# Altium PCB CC_V1.4.PcbDoc (part 8 of 8)
Units mm, origin at the board's own origin, x right, y up, seen from the top; angles counter-clockwise.
Board outline 145 x 123.85 mm, 4 copper layers (Top, GND, Power Plane, Bottom), stack 1.573 mm thick; 334 components, 307 nets, 1570 pads, 1725 vias.
Unrouted connection lines stored in the file: 33.
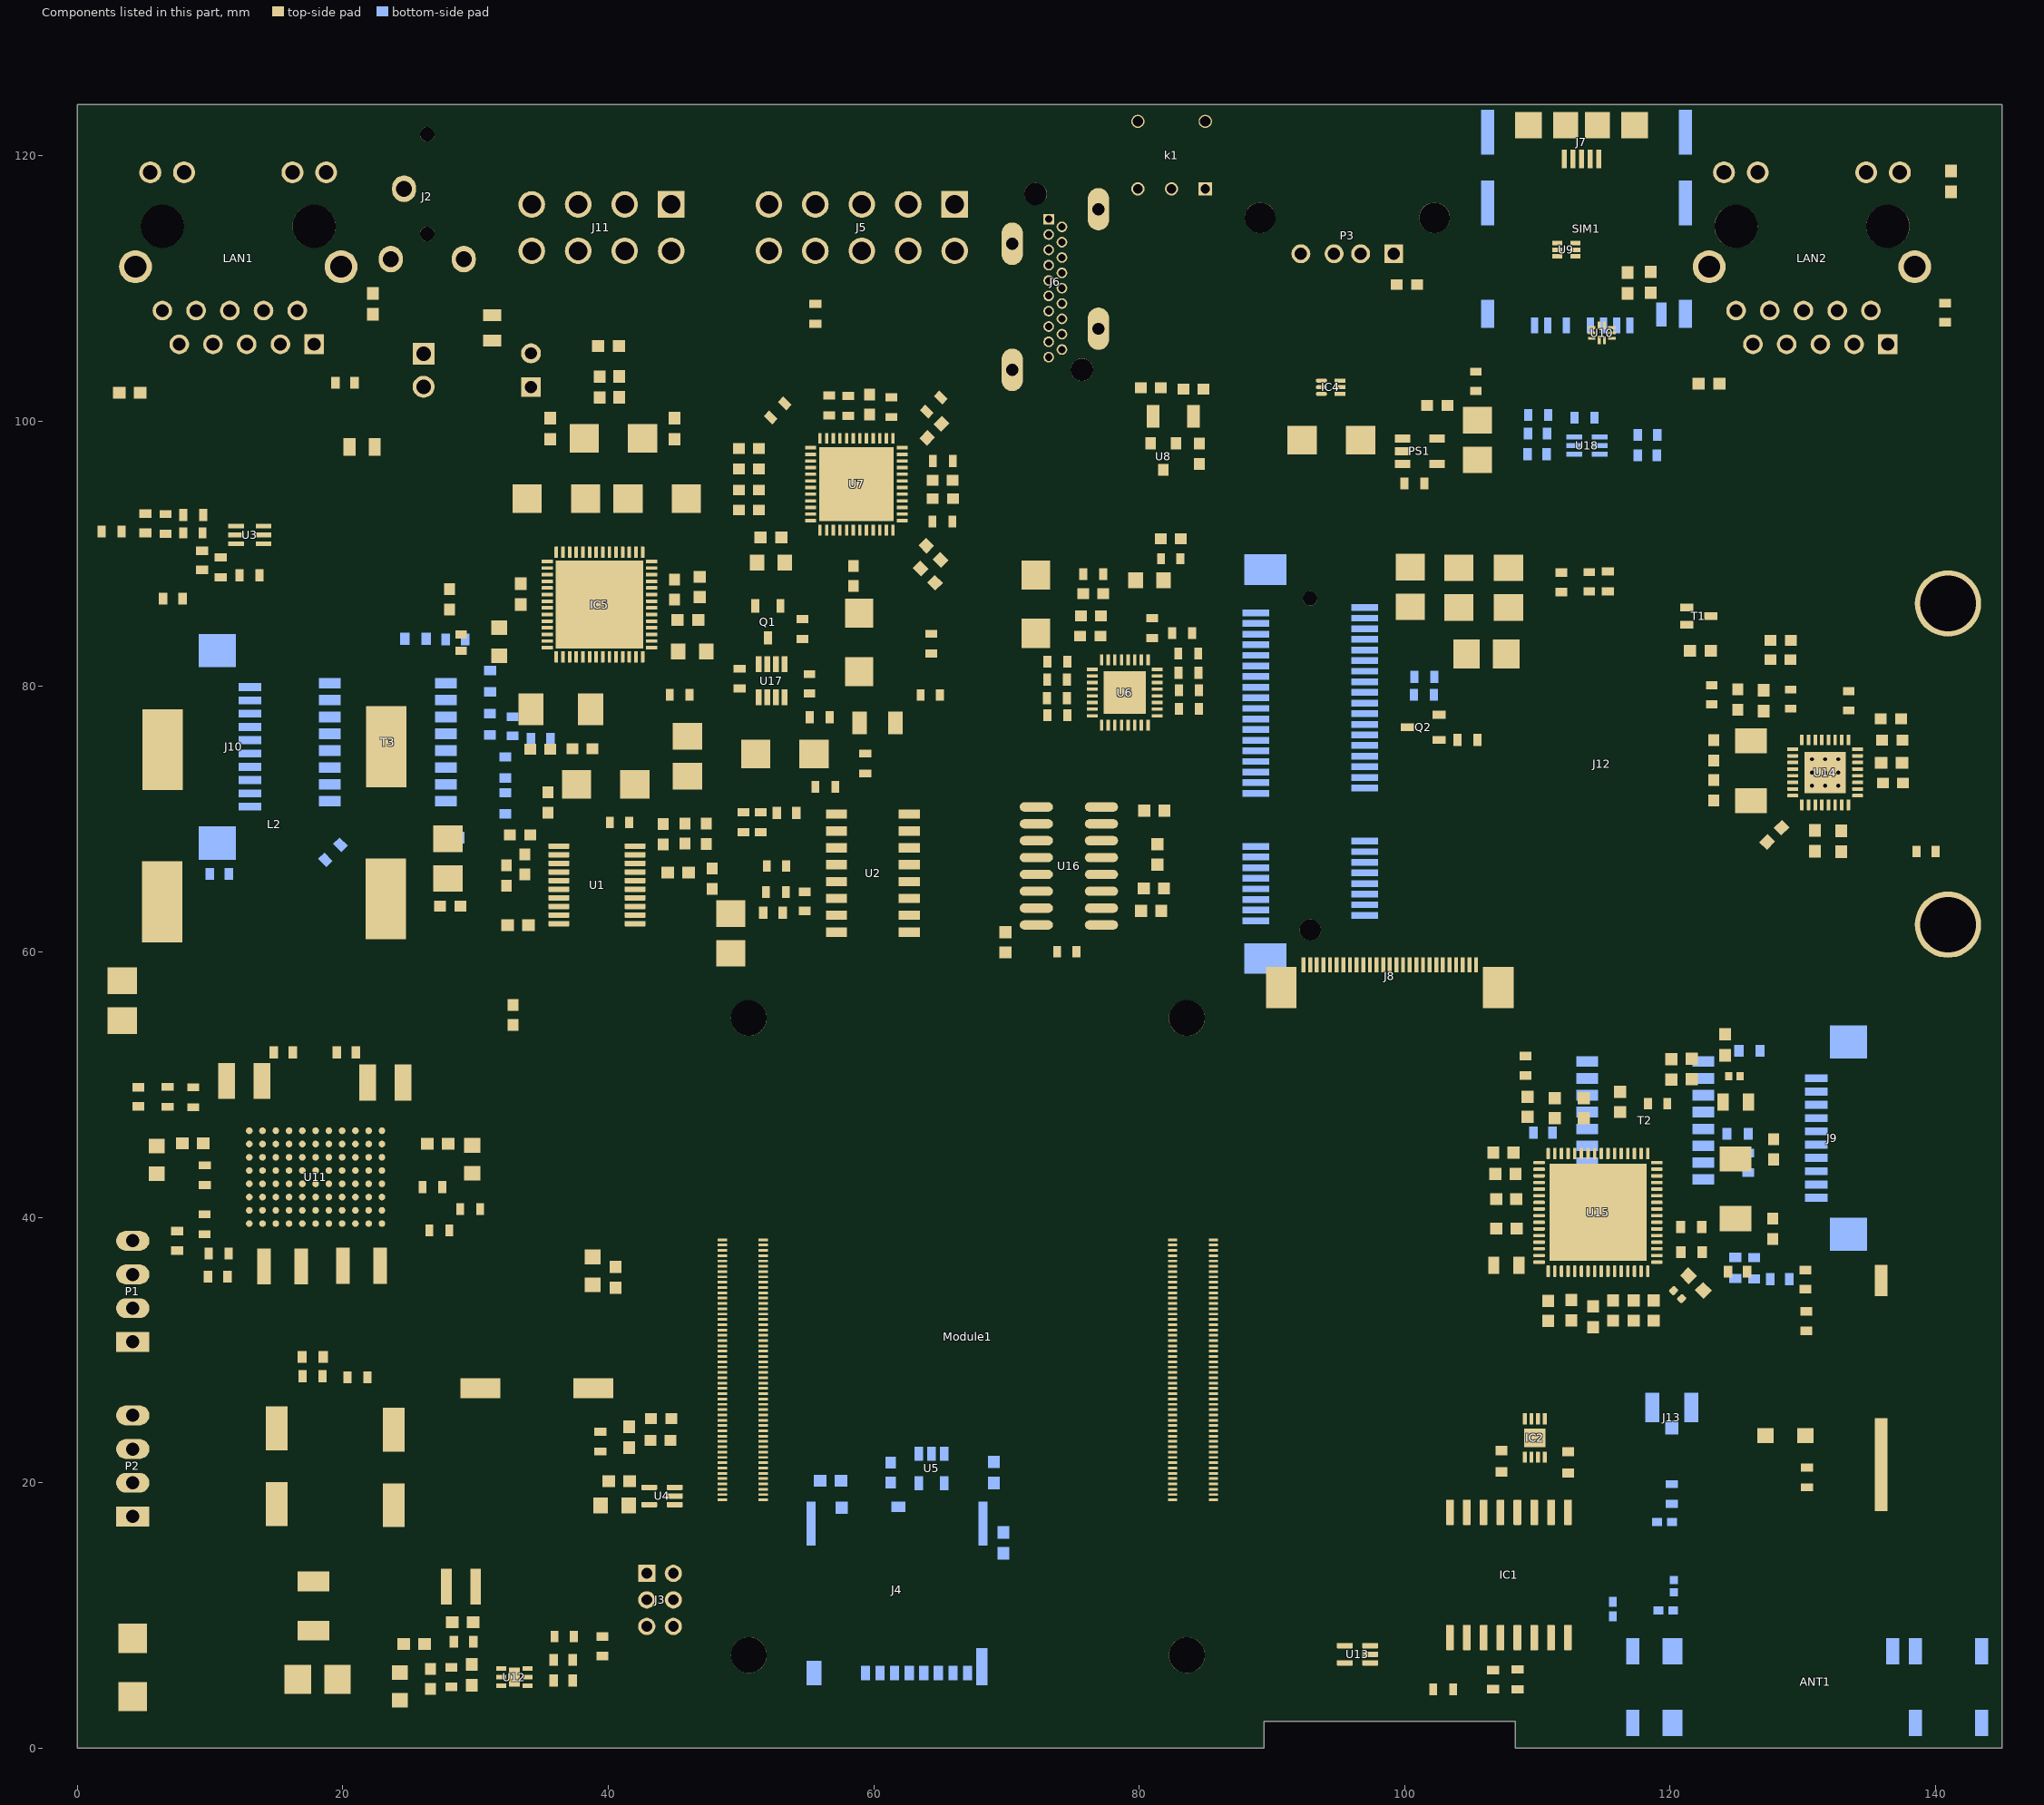
[diagram p10: the components of this part, seen from the top]

## Polygon pours and split planes (outlines as drawn) (continued)
3V3_Audio on Power Plane (split plane): 48.248,73.896 48.248,67.857 46.777,66.386 46.745,66.344 46.725,66.296 46.718,66.243 46.718,65.551 46.511,65.344 45.259,65.344 43.384,67.219 43.384,68.748 43.377,68.8 43.357,68.848 43.325,68.89 43.283,68.922 43.235,68.942 43.182,68.949 41.019,68.949 40.952,69.016 40.952,71.463 40.945,71.515 40.925,71.563 40.893,71.605 40.392,72.106 42.534,74.248 47.896,74.248
RS485_3.3V on Power Plane (split plane): 66.273,80.909 61.386,76.022 51.039,76.022 50.677,76.384 50.677,82.391 54.904,86.618 66.273,86.618
5V_HDMI on Power Plane (split plane): 82.279,99.977 81.597,99.295 81.565,99.253 81.545,99.205 81.538,99.152 81.538,97.839 80.386,97.839 79.364,98.861 79.364,103.323 82.279,103.323
1V8_A2 on Power Plane (split plane): 136.616,78.686 136.616,75.616 136.416,75.417 133.329,75.417 132.732,76.014 132.732,78.948 136.354,78.948
USB1_2_5VO on Power Plane (split plane): 100.702,106.372 100.744,106.34 100.764,106.332 100.793,106.32 100.845,106.313 102.428,106.313 102.428,98.064 100.649,96.284 98.676,96.284 97.54,97.42 97.498,97.452 97.45,97.472 97.398,97.479 94.832,97.479 94.832,100.936 95.219,101.323 97.207,101.323 97.26,101.33 97.308,101.35 97.35,101.382 98.621,102.653 98.653,102.695 98.673,102.744 98.68,102.796 98.68,106.766 100.309,106.766
3V3_A2 on Power Plane (split plane): 130.123,77.284 129.861,77.022 128.284,77.022 126.739,78.567 126.739,80.362 128.643,82.266 128.675,82.308 128.695,82.356 128.702,82.408 128.702,82.623 130.123,82.623
GND on GND (split plane): 144.49,120 144.49,15.15 128.675,15.15 128.675,12.225 118.937,12.153 118.937,10.988 118.937,8.7 116,8.7 116,0.6 144.49,0.6 144.49,0.51 108.855,0.51 108.855,2.013 108.846,2.112 108.817,2.208 108.769,2.296 108.706,2.373 108.629,2.437 108.54,2.484 108.445,2.513 108.345,2.523 89.415,2.523 89.315,2.513 89.22,2.484 89.131,2.437 89.054,2.373 88.991,2.296 88.943,2.208 88.914,2.112 88.905,2.013 88.905,0.51 22.532,0.51 22.532,14.536 22.573,14.577 22.605,14.619 22.625,14.668 22.632,14.72 22.625,14.772 22.605,14.821 22.573,14.863 22.531,14.895 22.517,14.901 22.482,14.915 22.43,14.922 11.948,14.922 11.948,57.194 11.941,57.246 11.921,57.295 11.889,57.337 11.876,57.347 11.876,79.685 11.866,79.735 11.838,79.777 11.796,79.805 11.746,79.814 0.51,79.814 0.51,120 0.51,123.342 144.49,123.342
FE on GND (split plane): 11.617,57.347 11.604,57.337 11.572,57.295 11.552,57.246 11.545,57.194 11.545,14.706 11.552,14.654 11.572,14.606 11.604,14.564 11.646,14.532 11.694,14.512 11.746,14.505 11.799,14.512 11.815,14.518 22.128,14.518 22.128,0.51 0.51,0.51 0.51,79.556 11.617,79.556

## Keep-outs
Keep-Out Layer:
  lines w0.07: 89.415,0.052 89.415,0 89.08,0 0,0 0,120 0,123.843 0.01,123.853 144.987,123.853 145,123.84 145,120 145,0 108.623,0 108.345,0 108.345,2.013 89.415,2.013
  lines w0.1: 0,120 0,120

## Other copper
Top:
  pour cut-out: 144.525,15.15 128.675,15.15 128.675,12.225 119.25,12.225 119.25,10.675 119.25,8.7 116,8.7 116,0.6 144.525,0.6
Bottom:
  pour cut-out: 144.755,0.295 144.755,15.175 128.675,15.175 128.675,12.225 121.318,12.225 121.317,25.012 119.003,25.013 119.003,9.891 117.724,8.612 117.038,8.612 116.688,8.962 116.688,11.013 114.688,11.013 114.688,9.188 116,7.875 116,0.295
GND (plane layer: these items are gaps in the copper):
  pour cut-out: 144.525,15.15 128.675,15.15 128.675,12.225 118.937,12.153 118.937,10.988 118.937,8.7 116,8.7 116,0.6 144.525,0.6
  lines w0.254: 0.115,54.635 0.295,54.455 ; 0.455,79.685 11.746,79.685 11.746,57.194
  lines w0.4: 11.746,57.194 11.746,14.706 11.76,14.72 22.43,14.72 22.33,14.62 22.33,-0.09
Power Plane (plane layer: these items are gaps in the copper):
  pour cut-out: 144.525,15.15 128.675,15.15 128.675,12.225 119.045,12.225 119.045,10.88 119.045,8.7 116,8.7 116,0.6 144.525,0.6
  lines w0.4: 0.47,79.367 10.315,79.367 11,78.682 11,66.367 10.3,65.668 10.3,54.13 10.075,53.905 7.823,53.905 6.201,52.284 6.201,36.424 7.15,35.475 ; 6.925,25.975 33.793,25.975 33.793,49.075 ; 8.745,67.142 8.772,67.115 ; 17.982,28.945 17.982,38.947 18.433,39.397 18.433,55.217 ; 18.365,0.425 18.613,0.178 ; 18.433,54.978 18.433,81.558 29.872,92.998 ; 19.246,14.723 19.246,25.975 ; 22.28,-0.085 22.28,14.65 22.207,14.723 29.965,14.723 29.965,4.401 31.116,3.25 87.99,3.25 88.345,3.605 88.345,4.835 88.345,57.98 89.662,59.297 96.002,59.297 96.747,59.297 99.078,61.628 100.233,61.628 102.405,63.8 104.285,65.68 123.175,65.68 125.107,67.613 125.107,80.931 125.581,81.405 126.528,82.352 127.001,82.825 141.575,82.825 141.575,66.668 140.82,65.912 135.365,65.912 127.135,57.683 91.8,57.683 91.161,57.043 91.161,2.515 ; 22.323,7.842 22.323,14.665 22.265,14.723 6.95,14.723 6.95,24.25 6.95,28.162 6.95,35.66 8.147,35.66 9.115,34.692 9.115,31.465 11.655,28.925 28.583,28.925 28.583,44.145 25.678,47.05 25.678,48.538 26.146,49.006 26.146,50.52 26.146,62.539 50.3,86.693 50.3,90.2 50.3,106.62 66.028,106.62 66.95,105.698 66.95,101.215 67.451,100.714 76.648,100.714 78.257,99.105 78.257,88.817 78.257,88.525 76.552,86.82 54.83,86.82 54.82,86.82 33.793,65.792 33.793,48.888 ; 29.746,92.871 43.804,92.871 43.804,94.461 46.008,96.665 46.008,109.657 46.263,109.913 69.289,109.913 71.633,107.569 71.633,102.7 71.703,102.63 77.859,102.63 82.197,106.968 100.392,106.968 100.845,106.515 121.943,106.515 127.328,101.13 144.87,101.13 ; 33.513,3.25 33.513,21.468 39.27,27.225 45.668,27.225 45.818,27.075 45.818,24.442 ; 33.793,3.25 33.793,3.257 ; 36.602,3.48 36.602,20.568 39.06,23.025 44.401,23.025 45.818,24.442 ; 37.005,20.97 53.493,20.97 53.493,22.229 51.281,24.442 45.818,24.442 ; 40.018,75.49 40.162,75.49 40.09,75.49 ; 40.106,72.106 40.75,71.463 40.75,68.933 40.935,68.748 43.182,68.748 43.182,67.135 45.175,65.143 46.595,65.143 46.92,65.468 46.92,66.243 48.45,67.773 48.45,73.98 47.98,74.45 42.45,74.45 ; 50.475,82.475 50.475,76.3 50.955,75.82 61.47,75.82 66.475,80.825 66.475,86.82 ; 98.323,63.8 93.247,63.8 93.247,79.532 93.333,79.617 87.49,79.617 87.173,79.935 87.173,82.755 87.293,82.875 93.333,82.875 93.557,83.1 93.557,91.662 116.673,91.662 116.682,91.653 116.682,89.058 115.335,87.71 98.693,87.71 98.693,64.22 98.323,63.85 ; 98.478,106.968 98.478,102.796 97.207,101.525 95.136,101.525 94.63,101.019 94.63,97.15 94.757,97.277 97.398,97.277 98.593,96.083 100.733,96.083 102.63,97.98 102.63,106.515 ; 110.312,45.267 104.333,45.267 103.814,44.749 103.814,36.651 105.669,34.796 111.419,34.796 111.486,34.864 111.607,34.864 ; 128.5,82.825 128.5,82.408 126.537,80.446 126.537,78.483 128.2,76.82 129.945,76.82 130.325,77.2 130.325,82.825 ; 132.53,79.005 132.53,75.93 133.245,75.215 136.5,75.215 136.818,75.533 136.818,78.77 136.438,79.15 132.675,79.15 ; 108.205,48.37 108.205,47.374 110.78,44.798 110.78,35.922 110.805,35.922 111.675,35.053 111.675,34.54 110.312,33.177 110.312,29.335 113.261,29.335 ; 108.205,48.37 112.4,48.37 108.205,48.37 ; 113.261,29.335 115.003,29.335 120.518,29.335 122.47,31.287 122.47,51.608 113.459,51.608 112.448,50.596 112.448,46.838 113.261,46.025 113.261,29.335 ; 8.745,88.882 8.955,88.672 11.095,88.672 12.758,90.335 12.758,91.095 12.87,91.207 12.87,91.718 12.748,91.84 10.218,91.84 9.897,92.16 8.745,92.16 8.745,88.882 ; 27.404,84.91 27.404,87.625 33.45,87.625 33.625,87.45 33.625,84.915 35.365,83.175 39.238,83.175 39.324,83.088 39.324,81.694 37.242,79.613 33.363,79.613 31.78,81.195 31.78,83.735 30.605,84.91 27.404,84.91 ; 50.749,64.076 50.749,67.347 64.675,67.347 64.675,65.55 56.6,65.55 55.775,64.725 53.33,64.725 52.53,63.925 50.9,63.925 50.749,64.076 ; 79.162,98.778 79.162,103.525 80.925,103.525 82.481,103.525 82.481,99.894 81.74,99.152 81.74,97.637 80.303,97.637 79.162,98.778

## Silkscreen, mask and mechanical layers (free items; w line width, h text height)
Top Overlay:
  circle w0.254: c75.267,81.325 r0.025
  lines w0.12: 48.241,18.11 48.241,39.91 ; 52.021,18.11 52.021,39.91 ; 82.161,18.11 82.161,38.91 ; 85.941,18.11 85.941,38.91 ; 75.731,76.304 77.853,76.304 82.151,76.304 82.151,79.102 82.151,82.7 75.731,82.7 75.731,76.487 75.731,76.304
  lines w0.152: 55.018,92.033 55.018,98.453 ; 55.491,91.56 61.911,91.56 ; 55.491,98.926 61.911,98.926 ; 62.384,92.033 62.384,98.453
  text "PCB Material: FR4" at 147.555,76.412 h1.52
  text "Board Thickness: 1.6mm" at 147.555,74.634 h1.52
  text "Copper Thickness: 1oz" at 147.555,72.856 h1.52
  text "Solder Mask: Green" at 147.555,71.078 h1.52
  text "Legend: White" at 147.555,69.3 h1.52
  text "Surface Finished: HASL" at 147.555,67.522 h1.52
  text "Number of layers: 4" at 147.555,65.744 h1.52
  text "H1" at 49.97,15.951 h0.8
  text "H2" at 83.593,15.906 h0.8
Bottom Overlay:
  lines w0.12: 62.74,22.625 62.74,22.905 65.96,22.905
Mechanical 1:
  lines w0.254: -2.222,1.555 -1.714,0.031 ; -2.222,122.407 -1.714,123.931 ; -1.968,0.031 -1.46,0.031 ; -1.968,123.931 -1.46,123.931 ; -1.714,54.846 -1.714,0.031 ; -1.714,69.116 -1.714,123.931 ; -1.206,1.555 -1.714,0.031 ; -1.206,122.407 -1.714,123.931 ; -0.161,-1.654 -0.161,-1.146 ; 1.363,-1.908 -0.161,-1.4 ; 1.363,-0.892 -0.161,-1.4 ; 66.6,-1.4 -0.161,-1.4 ; 78.077,-1.4 144.839,-1.4 ; 143.315,-1.908 144.839,-1.4 ; 143.315,-0.892 144.839,-1.4 ; 144.839,-1.654 144.839,-1.146
  text "123.9 (mm)" at -0.8,55.1 h1.52 r90
  text "145 (mm)" at 66.854,-2.314 h1.52
Mechanical 2:
  lines w0.07: 0,120 0,0 89.41,0 89.415,0.005 89.415,2.005 ; 89.417,2.003 108.347,2.003 108.347,0.003 108.35,0 145,0 145,120

## Text inside footprints (layer, text, board x,y; h text height)
J3: Top Overlay "2" at 44.722,15.182 h0.4 r270; Top Overlay "1" at 42.512,14.978 h0.4 r270; Top Overlay "5" at 42.639,7.587 h0.4 r270; Top Overlay "6" at 44.722,7.562 h0.4 r270
J7: Mechanical 1 "PCB Edge" at 115.22,124.498 h0.5 r180
J12: Mechanical 8 "G1" at 92.875,61.447 h0.8 r270; Mechanical 8 "G2" at 92.875,86.447 h0.8 r270; Mechanical 8 "23" at 88.275,74.147 h0.8 r270; Mechanical 8 "25" at 88.275,74.947 h0.8 r270; Mechanical 8 "28" at 97.475,76.147 h0.8 r270; Mechanical 8 "30" at 97.475,76.947 h0.8 r270; Mechanical 8 "31" at 88.275,77.347 h0.8 r270; Mechanical 8 "32" at 97.475,77.747 h0.8 r270; Mechanical 8 "33" at 88.275,78.147 h0.8 r270; Mechanical 8 "46" at 97.475,83.347 h0.8 r270; Mechanical 8 "48" at 97.475,84.147 h0.8 r270; Mechanical 8 "50" at 97.475,84.947 h0.8 r270; Mechanical 8 "6" at 97.475,64.248 h0.8 r270; Mechanical 8 "11" at 88.275,66.147 h0.8 r270; Mechanical 8 "13" at 88.275,66.947 h0.8 r270; Mechanical 8 "45" at 88.275,82.947 h0.8 r270; Mechanical 8 "49" at 88.275,84.547 h0.8 r270; Mechanical 8 "47" at 88.275,83.747 h0.8 r270; Mechanical 8 "51" at 88.275,85.347 h0.8 r270; Mechanical 8 "3" at 88.275,63.048 h0.8 r270; Mechanical 8 "5" at 88.275,63.848 h0.8 r270; Mechanical 8 "17" at 88.275,71.747 h0.8 r270; Mechanical 8 "19" at 88.275,72.547 h0.8 r270; Mechanical 8 "44" at 97.475,82.547 h0.8 r270; Mechanical 8 "16" at 97.475,68.147 h0.8 r270; Mechanical 8 "34" at 97.475,78.547 h0.8 r270; Mechanical 8 "40" at 97.475,80.947 h0.8 r270; Mechanical 8 "26" at 97.475,75.347 h0.8 r270; Mechanical 8 "18" at 97.475,72.147 h0.8 r270; Mechanical 8 "4" at 97.475,63.448 h0.8 r270; Mechanical 8 "M2" at 88.875,88.597 h0.8 r270; Mechanical 8 "43" at 88.275,82.147 h0.8 r270; Mechanical 8 "37" at 88.275,79.747 h0.8 r270; Mechanical 8 "29" at 88.275,76.547 h0.8 r270; Mechanical 8 "27" at 88.275,75.747 h0.8 r270; Mechanical 8 "21" at 88.275,73.347 h0.8 r270; Mechanical 8 "15" at 88.275,67.747 h0.8 r270; Mechanical 8 "9" at 88.275,65.448 h0.8 r270; Mechanical 8 "M1" at 88.875,59.297 h0.8 r270; Mechanical 8 "35" at 88.275,78.947 h0.8 r270; Mechanical 8 "36" at 97.475,79.347 h0.8 r270; Mechanical 8 "38" at 97.475,80.147 h0.8 r270; Mechanical 8 "1" at 88.275,62.248 h0.8 r270; Mechanical 8 "7" at 88.275,64.648 h0.8 r270; Mechanical 8 "2" at 97.475,62.648 h0.8 r270; Mechanical 8 "39" at 88.275,80.547 h0.8 r270; Mechanical 8 "41" at 88.275,81.347 h0.8 r270; Mechanical 8 "24" at 97.475,74.547 h0.8 r270; Mechanical 8 "52" at 97.475,85.747 h0.8 r270; Mechanical 8 "20" at 97.475,72.947 h0.8 r270; Mechanical 8 "22" at 97.475,73.747 h0.8 r270; Mechanical 8 "8" at 97.475,65.048 h0.8 r270; Mechanical 8 "14" at 97.475,67.347 h0.8 r270; Mechanical 8 "12" at 97.475,66.547 h0.8 r270; Mechanical 8 "10" at 97.475,65.747 h0.8 r270; Mechanical 8 "42" at 97.475,81.747 h0.8 r270; Mechanical 10 "MiniPCIe/ME909s-821" at 90.63,69.746 h0.8 r270
R12: Mechanical 8 "1" at 40.564,36.017 h0.4 r270; Mechanical 8 "2" at 40.564,34.442 h0.4 r270
R13: Mechanical 8 "1" at 41.575,22.892 h0.4 r90; Mechanical 8 "2" at 41.575,24.466 h0.4 r90
R14: Mechanical 8 "1" at 40.292,20.125 h0.4; Mechanical 8 "2" at 41.866,20.125 h0.4
R31: Mechanical 8 "2" at 53.295,91.229 h0.4; Mechanical 8 "1" at 51.72,91.229 h0.4
R36: Mechanical 8 "1" at 116.8,109.867 h0.4 r90; Mechanical 8 "2" at 116.8,111.441 h0.4 r90
R37: Mechanical 8 "2" at 118.525,111.496 h0.4 r90; Mechanical 8 "1" at 118.525,109.922 h0.4 r90
R39: Mechanical 8 "2" at 7.659,45.575 h0.4 r180; Mechanical 8 "1" at 9.233,45.575 h0.4 r180
R56: Mechanical 8 "2" at 27.984,9.5 h0.4 r180; Mechanical 8 "1" at 29.558,9.5 h0.4 r180
R57: Mechanical 8 "2" at 24.334,7.85 h0.4 r180; Mechanical 8 "1" at 25.908,7.85 h0.4 r180
R58: Mechanical 8 "2" at 29.725,6.566 h0.4 r90; Mechanical 8 "1" at 29.725,4.992 h0.4 r90
R61: Mechanical 8 "2" at 130.9,67.334 h0.4 r270; Mechanical 8 "1" at 130.9,68.908 h0.4 r270
R62: Mechanical 8 "2" at 132.9,67.296 h0.4 r270; Mechanical 8 "1" at 132.9,68.871 h0.4 r270
R65: Mechanical 8 "2" at 135.634,74.25 h0.4 r180; Mechanical 8 "1" at 137.208,74.25 h0.4 r180
R66: Mechanical 8 "2" at 127.025,77.896 h0.4 r270; Mechanical 8 "1" at 127.025,79.471 h0.4 r270
R67: Mechanical 8 "2" at 121.234,82.7 h0.4 r180; Mechanical 8 "1" at 122.808,82.7 h0.4 r180
R68: Mechanical 8 "2" at 124.15,54.041 h0.4 r90; Mechanical 8 "1" at 124.15,52.467 h0.4 r90
R69: Mechanical 8 "2" at 114.198,31.459 h0.4 r270; Mechanical 8 "1" at 114.198,33.033 h0.4 r270
R70: Mechanical 8 "2" at 121.205,35.781 h0.4 r135; Mechanical 8 "1" at 122.319,34.668 h0.4 r135
R90: Mechanical 8 "1" at 40.551,105.665 h0.4 r180
U7: Top Overlay "*" at 56.336,90.43 h0.4 r90